# KiCad board LightBlue.kicad_pcb (continued)
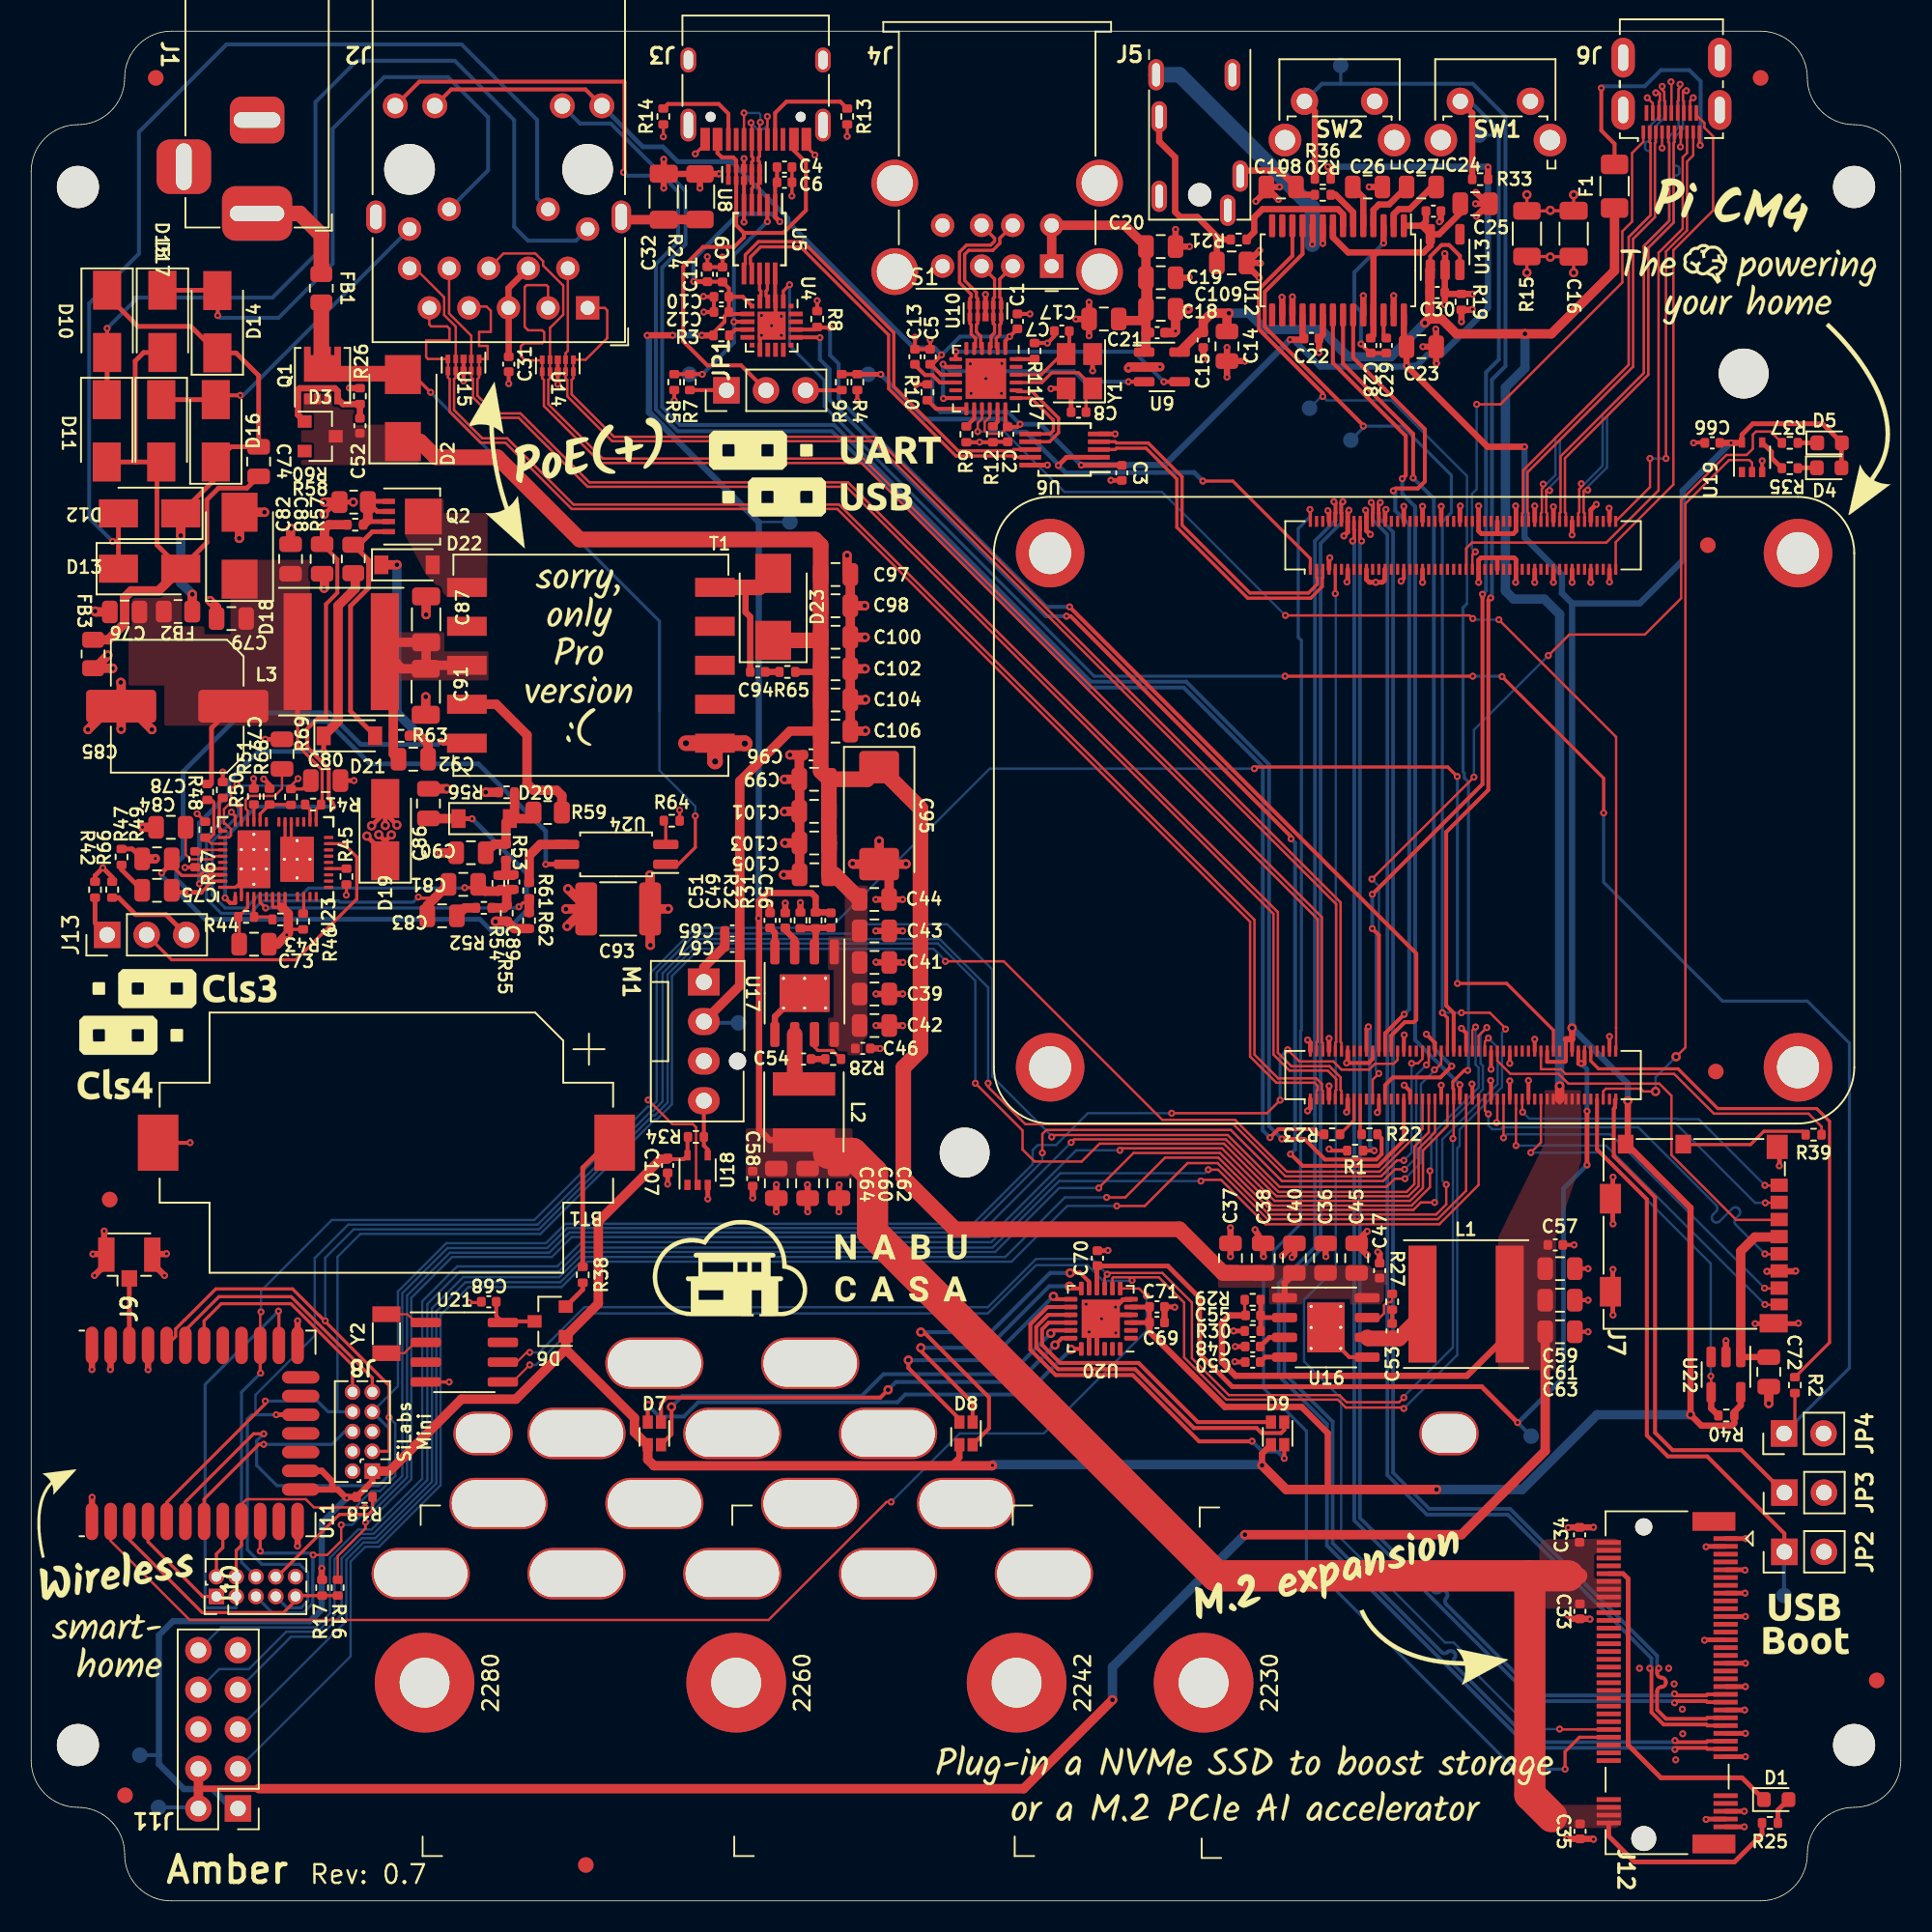
[diagram p0: board, top side]
## Library data of the parts
BT1 = -: Manufacturer: Keystone; PartNumber: 1060
C16 C32 C55 C56 C96 J8 R1 R25 R34 R39 R44 R67 R69 = -: Config: DNP
C22-C29 C108 C109 R19-R21 = -: Config: +Audio
C52 R26 = -: Config: -PoE
C65 C67 C107 = -: Config: +Fan
C66 R35 R37 = -: Config: +RPiLED
C72 R40 = -: Config: +SDCard
C73-C84 C86-C94 R41-R43 R45-R59 R61-R66 R68 = -: Config: +PoE
C85 = -: Config: +PoE; Manufacturer: Panasonic Electronic Components; PartNumber: EEE-HA1J470UP
C95 = -: Config: +PoE; Manufacturer: KEMET; PartNumber: T491X107K025AT
D1 = -: Config: DNP; Manufacturer: Lite-On; PartNumber: LTST-C191TBKT
D2 D10-D18 D23 = -: Config: +PoE; Manufacturer: Diodes Incorporated
D3 = -: Config: -PoE; Manufacturer: ON Semiconductor
D4 = -: Config: +RPiLED; Manufacturer: Lite-On; PartNumber: LTST-C194KRKT
D5 = -: Config: +RPiLED; Manufacturer: Lite-On; PartNumber: LTST-C194TGKT
D6 = -: Manufacturer: Diodes Incorporated
D7-D9 = -: Manufacturer: Lite-On; PartNumber: C19HE1WT
D19 = -: Config: DNP; Manufacturer: Diodes Incorporated
D20-D22 = -: Config: +PoE; Manufacturer: STMicroelectronics
F1 = -: Config: +HDMI; Manufacturer: Bel Fuse; PartNumber: 0ZCJ0010FF2E
FB1 = -: Manufacturer: Würth Elektronik; PartNumber: 742792031
FB2 FB3 = -: Config: +PoE; Manufacturer: Würth Elektronik; PartNumber: 742792031
J1 = -: Manufacturer: CUI Devices; PartNumber: PJ-002A
J2 = -: Manufacturer: LINK-PP; PartNumber: LPJG0926HENL
J3 = -: Manufacturer: HRO; PartNumber: TYPE-C-31-M-12
J4 = -: Manufacturer: Molex; PartNumber: 67298-4090
J5 = -: Config: +Audio; Manufacturer: HRO; PartNumber: PJ-3973-6A
J6 = -: Config: +HDMI; Manufacturer: Molex; PartNumber: 0467651301
J7 = -: Config: +SDCard; Manufacturer: Molex; PartNumber: 104031-0811
J9 = -: Manufacturer: Linx Technologies; PartNumber: CONUFL001-SMD-T
J10 = -: Config: DNP; Manufacturer: Adam Tech; PartNumber: PH2-08-UA
J11 = -: Manufacturer: Adam Tech; PartNumber: PH2-10-UA
J12 = -: Manufacturer: TE; PartNumber: 1-2199119-5
JP1 = -: Manufacturer: Adam Tech; PartNumber: PH1-03-UA
JP2 = -: Manufacturer: Adam Tech; PartNumber: PH1-02-UA
JP3 JP4 = -: Config: DNP; Manufacturer: Adam Tech; PartNumber: PH1-02-UA
L1 = -: Manufacturer: Taiyo Yuden; PartNumber: NRS8030T3R3MJGJ
L2 = -: Manufacturer: Taiyo Yuden; PartNumber: ‎NRS5040T2R2NMGJ‎
L3 = -: Config: +PoE; Manufacturer: Taiyo Yuden; PartNumber: NRS8030T3R3MJGJ
M1 = -: Config: +Fan; Manufacturer: Molex; PartNumber: 47053-1000
Q1 = -: Config: -PoE; Manufacturer: Diodes Incorporated
Q2 = -: Config: +PoE; Manufacturer: Infineon Technologies
R60 = -: Characteristics: 0.1 Watt; Config: +PoE
SW1 = -: Manufacturer: C&K; PartNumber: PTS645VM83-2 LFS
SW2 = -: Manufacturer: C&K; PartNumber: PTS645VK58-2 LFS
T1 = -: Manufacturer: Pulse Electronics
U1 = -: Manufacturer: Raspberry Pi Foundation; PartNumber: CM4002016
U2 U3 = -: Manufacturer: Hirose Electric; PartNumber: DF40C-100DS-0.4V(51)
U4 = -: Manufacturer: Silicon Laboratories; PartNumber: CP2102N-A02-GQFN20
U5 U6 = -: Manufacturer: ON Semiconductor; PartNumber: FSUSB42MUXCT
U7 = -: Manufacturer: Microchip; PartNumber: USB2422/MJ
U8 U10 U14 U15 = -: Manufacturer: Texas Instruments; PartNumber: TPD4EUSB30DQAR
U9 = -: Manufacturer: Diodes Incorporated; PartNumber: AP2191WG-7
U11 = -: Manufacturer: Silicon Laboratories; PartNumber: MGM210PB32JIA2
U12 = -: Config: +Audio; Manufacturer: Texas Instruments; PartNumber: PCM5121PWR
U13 = -: Config: +Audio; Manufacturer: Texas Instruments
U16 U17 = -: Manufacturer: Rohm
U18 = -: Config: +Fan; Manufacturer: NXP USA; PartNumber: 74LVC1G07GW
U19 = -: Config: +RPiLED; Manufacturer: NXP USA; PartNumber: 74LVC1G07GW
U20 = -: Manufacturer: Texas Instruments
U21 = -: Manufacturer: NXP USA; PartNumber: PCF85063AT/AY
U22 = -: Config: +SDCard; Manufacturer: Richtek USA
U23 = -: Config: +PoE; Manufacturer: Texas Instruments; PartNumber: TPS23734RMTR
U24 = -: Config: +PoE; Manufacturer: Vishay Semiconductor Opto Division
Y1 = -: Manufacturer: Epson; PartNumber: FA-238 24.0000MD30X-W5
Y2 = -: Manufacturer: Epson; PartNumber: FC-135 32.7680KA-A3

## Footprints (pads in the part's own frame, mm; a bottom-side part is the same pattern mirrored in y, then rotated)
BarrelJack_CUI_PJ-002A
  rrect 3.5x4.5 hole 1x3.5: 1(0,0)
  rrect 3x3.5 hole 1x3: 2(-6,0)
  rrect 3.5x3.5 hole 3x1: 3(-3,-4.7)
BatteryHolder_Keystone_1060_1x2032
  rect 2.6x3.6 smd: 1(-14.65,0) 2(14.65,0)
C_0402_1005Metric
  rrect 0.56x0.62 smd: 1(-0.48,0) 2(0.48,0)
C_0805_2012Metric
  rrect 1x1.45 smd: 1(-0.95,0) 2(0.95,0)
C_1206_3216Metric
  rrect 1.15x1.8 smd: 1(-1.475,0) 2(1.475,0)
C_1812_4532Metric
  rrect 1.4x3.4 smd: 1(-2.05,0) 2(2.05,0)
C_Elec_8x10.2
  rrect 4.5x2.1 smd: 1(-3.6,0) 2(3.6,0)
CP_EIA-7343-31_Kemet-D
  rrect 2.075x2.55 smd: 1(-3.112,0) 2(3.112,0)
Crystal_SMD_3215-2Pin_3.2x1.5mm
  rect 1x1.8 smd: 1(1.25,0) 2(-1.25,0)
Crystal_SMD_3225-4Pin_3.2x2.5mm
  rect 1.4x1.2 smd: 1(-1.1,-0.85) 2(1.1,-0.85) 3(1.1,0.85) 4(-1.1,0.85)
D_SMA
  rect 2.5x1.8 smd: 1(-2,0) 2(2,0)
D_SMB
  rect 2.5x2.3 smd: 1(-2.15,0) 2(2.15,0)
D_SOD-123
  rect 0.9x1.2 smd: 1(-1.65,0) 2(1.65,0)
D_SOT-23_ANK
  rect 0.9x0.8 smd: (-1,-0.95) 1(1,0) 2(-1,0.95)
Diodes_PowerDI3333-8
  rect 0.6x1 smd: (0.02,0.565) (0.02,-0.565) (0.73,0.565) (0.73,-0.565)
  rect 0.7x0.42 smd: (1.5,0.975) (1.5,0.325) (1.5,-0.325) (1.5,-0.975) 1(-1.5,0.975) 2(-1.5,0.325) 3(-1.5,-0.325) 4(-1.5,-0.975)
  custom 2.25x2.37 smd: 5(0.455,0)
DrillSlot_Plated_3.5x2.5mm
  oval 3.8x2.8 hole 3.5x2.5: (0,0)
DrillSlot_Plated_5x3mm
  oval 6.3x3.3 hole 6x3: (0,0)
DrillSlot_Plated_5x3mm#2
  oval 6.3x3.3 hole 6x3: (0,-0.2)
DrillSlot_Plated_5x3mm#3
  oval 6.3x3.3 hole 6x3: (0,0.5)
FanPinHeader_1x04_P2.54mm_Vertical
  round 1.1 hole 1.1 unplated: (5.08,2.16)
  rect 1.73x2.03 hole 1.02: 1(0,0)
  oval 1.73x2.03 hole 1.02: 2(2.54,0) 3(5.08,0) 4(7.62,0)
Fiducial_1mm_Mask2mm
  round 1 smd: (0,0)
Fuse_1206_3216Metric
  rrect 1.25x1.75 smd: 1(-1.4,0) 2(1.4,0)
HDMI_Micro-D_Molex_46765-1x01
  rect 0.23x0.85 smd: 1(1.8,4.775) 3(1.4,4.775) 5(1,4.775) 7(0.6,4.775) 9(0.2,4.775) 11(-0.2,4.775) 13(-0.6,4.775) 15(-1,4.775) 17(-1.4,4.775) 19(-1.8,4.775)
  rect 0.23x1 smd: 2(1.6,3.55) 4(1.2,3.55) 6(0.8,3.55) 8(0.4,3.55) 10(0,3.55) 12(-0.4,3.55) 14(-0.8,3.55) 16(-1.2,3.55) 18(-1.6,3.55)
  oval 1.5x2.55 hole 0.65x1.7: SH(-3.1,3.36) SH(-3.1,0) SH(3.1,3.36) SH(3.1,0)
Heatsink_56x56mm_2xFixation3.2mm
  round 3.2 hole 3.2 unplated: (-25,-25) (25,25)
HTSOP-8-1EP_3.9x4.9mm_P1.27mm_EP2.4x3.2mm_ThermalVias
  rrect 0.97x1.29 smd: (-0.6,0.8) (-0.6,-0.8) (0.6,0.8) (0.6,-0.8)
  rrect 1.6x0.6 smd: 1(-2.65,1.905) 2(-2.65,0.635) 3(-2.65,-0.635) 4(-2.65,-1.905) 5(2.65,-1.905) 6(2.65,-0.635) 7(2.65,0.635) 8(2.65,1.905)
  round 0.5 hole 0.2: 9(-0.95,1.35) 9(-0.95,0) 9(-0.95,-1.35) 9(0.95,1.35) 9(0.95,0) 9(0.95,-1.35)
  rect 2.4x3.2 smd: 9(0,0)
  rect 2.4x3.2 smd far side: 9(0,0)
Jack_3.5mm_HRO_PJ-3973-6A_Horizontal
  round 1.5 hole 1.5 unplated: (0,-10.5)
  oval 1x2 hole 0.5x1.5: R1(-2.6,-5.5) R1N(-2.6,-10.6) R2(2.1,-2.8) S(-2.8,-2.8) T(2.6,-9.3) TN(1.8,-11.5)
L_Taiyo-Yuden_NR-50xx
  rect 1.5x4 smd: 1(-1.8,0) 2(1.8,0)
L_Taiyo-Yuden_NR-80xx
  rect 1.8x7.5 smd: 1(-2.8,0) 2(2.8,0)
LED_0603_1608Metric
  rrect 0.875x0.95 smd: 1(-0.787,0) 2(0.787,0)
LED_LiteOn_LTST-C19HE1WT
  rect 0.65x0.85 smd: 1(-0.425,0.725) 2(0.425,0.725) 3(0.425,-0.725) 4(-0.425,-0.725)
microSD_HC_Molex_104031-0811
  rect 0.85x1.1 smd: 1(-3.105,5.45) 2(-2.005,5.45) 3(-0.905,5.45) 4(0.195,5.45) 5(1.295,5.45) 6(2.395,5.45) 7(3.495,5.45)
  rect 0.75x1.1 smd: 8(4.545,5.45)
  rect 1.2x1 smd: 9(-5.74,-0.7) 10(-5.74,-4.4)
  rect 1.55x1.35 smd: 11(-5.565,5.325)
  rect 1.9x1.35 smd: 11(-2.24,-5.375) 11(3.73,-5.375)
  rect 1.17x1.8 smd: 11(5.755,5.1)
MountingHole_2.7mm_M2.5
  round 2.7 hole 2.7 unplated: (0,0)
MSOP-10_3x3mm_P0.5mm
  rect 1.4x0.3 smd: 1(-2.2,1) 2(-2.2,0.5) 3(-2.2,0) 4(-2.2,-0.5) 5(-2.2,-1) 6(2.2,-1) 7(2.2,-0.5) 8(2.2,0) 9(2.2,0.5) 10(2.2,1)
PG-TSDSON-8
  rect 0.55x0.75 smd: (-0.035,0.575) (-0.035,-0.575) (0.815,0.575) (0.815,-0.575)
  rect 0.55x0.24 smd: (1.575,0.975) (1.575,0.325) (1.575,-0.325) (1.575,-0.975)
  rect 0.8x0.34 smd: 1(-1.5,0.975) 2(-1.5,0.325) 3(-1.5,-0.325) 4(-1.5,-0.975)
  rect 2.36x2.29 smd: 5(0.72,0)
PinHeader_1x02_P2.54mm_Vertical
  rect 1.7x1.7 hole 1: 1(0,0)
  oval 1.7x1.7 hole 1: 2(0,-2.54)
PinHeader_1x03_P2.54mm_Vertical
  rect 1.7x1.7 hole 1: 1(0,0)
  oval 1.7x1.7 hole 1: 2(0,-2.54) 3(0,-5.08)
PinHeader_2x05_P1.27mm_Vertical
  rect 1x1 hole 0.65: 1(0,0)
  oval 1x1 hole 0.65: 2(1.27,0) 3(0,-1.27) 4(1.27,-1.27) 5(0,-2.54) 6(1.27,-2.54) 7(0,-3.81) 8(1.27,-3.81) 9(0,-5.08) 10(1.27,-5.08)
PinHeader_2x05_P2.54mm_Vertical
  rect 1.7x1.7 hole 1: 1(0,0)
  oval 1.7x1.7 hole 1: 2(2.54,0) 3(0,-2.54) 4(2.54,-2.54) 5(0,-5.08) 6(2.54,-5.08) 7(0,-7.62) 8(2.54,-7.62) 9(0,-10.16) 10(2.54,-10.16)
QFN-24-1EP_4x4mm_P0.5mm_EP2.6x2.6mm
  rrect 1.05x1.05 smd: (-0.65,0.65) (-0.65,-0.65) (0.65,0.65) (0.65,-0.65)
  rrect 0.825x0.25 smd: 1(-1.938,1.25) 2(-1.938,0.75) 3(-1.938,0.25) 4(-1.938,-0.25) 5(-1.938,-0.75) 6(-1.938,-1.25) 13(1.938,-1.25) 14(1.938,-0.75) 15(1.938,-0.25) 16(1.938,0.25) 17(1.938,0.75) 18(1.938,1.25)
  rrect 0.25x0.825 smd: 7(-1.25,-1.938) 8(-0.75,-1.938) 9(-0.25,-1.938) 10(0.25,-1.938) 11(0.75,-1.938) 12(1.25,-1.938) 19(1.25,1.938) 20(0.75,1.938) 21(0.25,1.938) 22(-0.25,1.938) 23(-0.75,1.938) 24(-1.25,1.938)
  rect 2.6x2.6 smd: 25(0,0)
R_0402_1005Metric
  rrect 0.54x0.64 smd: 1(-0.51,0) 2(0.51,0)
R_0805_2012Metric
  rrect 1.025x1.4 smd: 1(-0.912,0) 2(0.912,0)
R_1206_3216Metric
  rrect 1.125x1.75 smd: 1(-1.462,0) 2(1.462,0)
RaspberryPi-CM4
  round 4.4 hole 2.7 unplated: (-16.5,24) (-16.5,-24) (16.5,24) (16.5,-24)
  rect 0.7x0.2 smd: 1(-18.54,7.3) 2(-15.46,7.3) 3(-18.54,6.9) 4(-15.46,6.9) 5(-18.54,6.5) 6(-15.46,6.5) 7(-18.54,6.1) 8(-15.46,6.1) 9(-18.54,5.7) 10(-15.46,5.7) 11(-18.54,5.3) 12(-15.46,5.3) 13(-18.54,4.9) 14(-15.46,4.9) 15(-18.54,4.5) 16(-15.46,4.5) 17(-18.54,4.1) 18(-15.46,4.1) 19(-18.54,3.7) 20(-15.46,3.7) 21(-18.54,3.3) 22(-15.46,3.3) 23(-18.54,2.9) 24(-15.46,2.9) 25(-18.54,2.5) 26(-15.46,2.5) 27(-18.54,2.1) 28(-15.46,2.1) 29(-18.54,1.7) 30(-15.46,1.7) 31(-18.54,1.3) 32(-15.46,1.3) 33(-18.54,0.9) 34(-15.46,0.9) 35(-18.54,0.5) 36(-15.46,0.5) 37(-18.54,0.1) 38(-15.46,0.1) 39(-18.54,-0.3) 40(-15.46,-0.3) 41(-18.54,-0.7) 42(-15.46,-0.7) 43(-18.54,-1.1) 44(-15.46,-1.1) 45(-18.54,-1.5) 46(-15.46,-1.5) 47(-18.54,-1.9) 48(-15.46,-1.9) 49(-18.54,-2.3) 50(-15.46,-2.3) 51(-18.54,-2.7) 52(-15.46,-2.7) 53(-18.54,-3.1) 54(-15.46,-3.1) 55(-18.54,-3.5) 56(-15.46,-3.5) 57(-18.54,-3.9) 58(-15.46,-3.9) 59(-18.54,-4.3) 60(-15.46,-4.3) 61(-18.54,-4.7) 62(-15.46,-4.7) 63(-18.54,-5.1) 64(-15.46,-5.1) 65(-18.54,-5.5) 66(-15.46,-5.5) 67(-18.54,-5.9) 68(-15.46,-5.9) 69(-18.54,-6.3) 70(-15.46,-6.3) 71(-18.54,-6.7) 72(-15.46,-6.7) 73(-18.54,-7.1) 74(-15.46,-7.1) 75(-18.54,-7.5) 76(-15.46,-7.5) 77(-18.54,-7.9) 78(-15.46,-7.9) 79(-18.54,-8.3) 80(-15.46,-8.3) 81(-18.54,-8.7) 82(-15.46,-8.7) 83(-18.54,-9.1) 84(-15.46,-9.1) 85(-18.54,-9.5) 86(-15.46,-9.5) 87(-18.54,-9.9) 88(-15.46,-9.9) 89(-18.54,-10.3) 90(-15.46,-10.3) 91(-18.54,-10.7) 92(-15.46,-10.7) 93(-18.54,-11.1) 94(-15.46,-11.1) 95(-18.54,-11.5) 96(-15.46,-11.5) 97(-18.54,-11.9) 98(-15.46,-11.9) 99(-18.54,-12.3) 100(-15.46,-12.3) 101(15.46,7.3) 102(18.54,7.3) 103(15.46,6.9) 104(18.54,6.9) 105(15.46,6.5) 106(18.54,6.5) 107(15.46,6.1) 108(18.54,6.1) 109(15.46,5.7) 110(18.54,5.7) 111(15.46,5.3) 112(18.54,5.3) 113(15.46,4.9) 114(18.54,4.9) 115(15.46,4.5) 116(18.54,4.5) 117(15.46,4.1) 118(18.54,4.1) 119(15.46,3.7) 120(18.54,3.7) 121(15.46,3.3) 122(18.54,3.3) 123(15.46,2.9) 124(18.54,2.9) 125(15.46,2.5) 126(18.54,2.5) 127(15.46,2.1) 128(18.54,2.1) 129(15.46,1.7) 130(18.54,1.7) 131(15.46,1.3) 132(18.54,1.3) 133(15.46,0.9) 134(18.54,0.9) 135(15.46,0.5) 136(18.54,0.5) 137(15.46,0.1) 138(18.54,0.1) 139(15.46,-0.3) 140(18.54,-0.3) 141(15.46,-0.7) 142(18.54,-0.7) 143(15.46,-1.1) 144(18.54,-1.1) 145(15.46,-1.5) 146(18.54,-1.5) 147(15.46,-1.9) 148(18.54,-1.9) 149(15.46,-2.3) 150(18.54,-2.3) 151(15.46,-2.7) 152(18.54,-2.7) 153(15.46,-3.1) 154(18.54,-3.1) 155(15.46,-3.5) 156(18.54,-3.5) 157(15.46,-3.9) 158(18.54,-3.9) 159(15.46,-4.3) 160(18.54,-4.3) 161(15.46,-4.7) 162(18.54,-4.7) 163(15.46,-5.1) 164(18.54,-5.1) 165(15.46,-5.5) 166(18.54,-5.5) 167(15.46,-5.9) 168(18.54,-5.9) 169(15.46,-6.3) 170(18.54,-6.3) 171(15.46,-6.7) 172(18.54,-6.7) 173(15.46,-7.1) 174(18.54,-7.1) 175(15.46,-7.5) 176(18.54,-7.5) 177(15.46,-7.9) 178(18.54,-7.9) 179(15.46,-8.3) 180(18.54,-8.3) 181(15.46,-8.7) 182(18.54,-8.7) 183(15.46,-9.1) 184(18.54,-9.1) 185(15.46,-9.5) 186(18.54,-9.5) 187(15.46,-9.9) 188(18.54,-9.9) 189(15.46,-10.3) 190(18.54,-10.3) 191(15.46,-10.7) 192(18.54,-10.7) 193(15.46,-11.1) 194(18.54,-11.1) 195(15.46,-11.5) 196(18.54,-11.5) 197(15.46,-11.9) 198(18.54,-11.9) 199(15.46,-12.3) 200(18.54,-12.3)
RJ45_LINK-PP_LPJG0926HENL_Horizontal
  round 3.25 hole 3.25 unplated: (0,-8.89) (11.43,-8.89)
  rect 1.5x1.5 hole 0.9: 1(0,0)
  round 1.5 hole 0.9: 2(1.27,-2.54) 3(2.54,0) 4(3.81,-2.54) 5(5.08,0) 6(6.35,-2.54) 7(7.62,0) 8(8.89,-2.54) 9(10.16,0) 10(11.43,-2.54) 11(0,-5.06) 12(2.54,-6.33) 13(8.89,-6.33) 14(11.43,-5.06)
  round 1.6 hole 1.02: 15(-0.915,-12.97) 16(1.625,-12.97) 17(9.805,-12.97) 18(12.345,-12.97)
  oval 1.25x2.1 hole 0.75x1.7: SH(-2.16,-5.84)
  oval 1.25x2.1 hole 0.75x1.6: SH(13.59,-5.84)
SiliconLabs_MGM210P
  oval 2.4x0.8 smd: 1(-5.65,6.7) 2(-5.65,5.5) 3(-5.65,4.3) 4(-5.65,3.1) 5(-5.65,1.9) 6(-5.65,0.7) 7(-5.65,-0.5) 8(-5.65,-1.7) 9(-5.65,-2.9) 10(-5.65,-4.1) 11(-5.65,-5.3) 12(-5.65,-6.5) 20(5.65,-6.5) 21(5.65,-5.3) 22(5.65,-4.1) 23(5.65,-2.9) 24(5.65,-1.7) 25(5.65,-0.5) 26(5.65,0.7) 27(5.65,1.9) 28(5.65,3.1) 29(5.65,4.3) 30(5.65,5.5) 31(5.65,6.7)
  oval 0.8x2.4 smd: 13(-3.6,-6.7) 14(-2.4,-6.7) 15(-1.2,-6.7) 16(0,-6.7) 17(1.2,-6.7) 18(2.4,-6.7) 19(3.6,-6.7)
SiliconLabs_QFN-20-1EP_3x3mm_P0.5mm_EP1.8x1.8mm
  rect 0.54x0.54 smd: (-0.45,0.45) (-0.45,-0.45) (0.45,0.45) (0.45,-0.45)
  rect 0.3x0.3 smd: 1(-1.25,1.25) 6(-1.25,-1.25) 11(1.25,-1.25) 16(1.25,1.25)
  rect 0.9x0.3 smd: 2(-1.55,0.75) 3(-1.55,0.25) 4(-1.55,-0.25) 5(-1.55,-0.75) 12(1.55,-0.75) 13(1.55,-0.25) 14(1.55,0.25) 15(1.55,0.75)
  rect 0.3x0.9 smd: 7(-0.75,-1.55) 8(-0.25,-1.55) 9(0.25,-1.55) 10(0.75,-1.55) 17(0.75,1.55) 18(0.25,1.55) 19(-0.25,1.55) 20(-0.75,1.55)
  rect 1.8x1.8 smd: 21(0,0)
SOIC-8_3.9x4.9mm_P1.27mm
  rrect 1.95x0.6 smd: 1(-2.475,1.905) 2(-2.475,0.635) 3(-2.475,-0.635) 4(-2.475,-1.905) 5(2.475,-1.905) 6(2.475,-0.635) 7(2.475,0.635) 8(2.475,1.905)
SOP-4_4.4x2.6mm_P1.27mm
  rrect 1.625x0.6 smd: 1(-3.188,0.635) 2(-3.188,-0.635) 3(3.188,-0.635) 4(3.188,0.635)
SOT-23
  rect 0.9x0.8 smd: 1(-1,0.95) 2(-1,-0.95) 3(1,0)
SOT-23-5
  rrect 1.325x0.6 smd: 1(-1.137,0.95) 2(-1.137,0) 3(-1.137,-0.95) 4(1.137,-0.95) 5(1.137,0.95)
SOT-353_SC-70-5
  rect 0.65x0.4 smd: 1(-0.95,0.65) 2(-0.95,0) 3(-0.95,-0.65) 4(0.95,-0.65) 5(0.95,0.65)
SW_Tactile_SPST_Angled_PTS645Vx58-2LFS
  round 2.1 hole 1.3: (-1.25,-2.49) (5.76,-2.49)
  round 1.75 hole 0.99: 1(0,0) 2(4.5,0)
SW_Tactile_SPST_Angled_PTS645Vx83-2LFS
  round 2.1 hole 1.3: (-1.25,-2.49) (5.76,-2.49)
  round 1.75 hole 0.99: 1(0,0) 2(4.5,0)
TE_1-2199230-3_Bus_M.2_M_H4.2mm_P0.5mm_2280_Horizontal
  round 1.1 hole 1.1 unplated: (-10,-1.5)
  round 1.6 hole 1.6 unplated: (10,-1.5)
  rect 0.3x1.55 smd: 1(-9.25,3.75) 2(-9,-3.75) 3(-8.75,3.75) 4(-8.5,-3.75) 5(-8.25,3.75) 6(-8,-3.75) 7(-7.75,3.75) 8(-7.5,-3.75) 9(-7.25,3.75) 10(-7,-3.75) 11(-6.75,3.75) 12(-6.5,-3.75) 13(-6.25,3.75) 14(-6,-3.75) 15(-5.75,3.75) 16(-5.5,-3.75) 17(-5.25,3.75) 18(-5,-3.75) 19(-4.75,3.75) 20(-4.5,-3.75) 21(-4.25,3.75) 22(-4,-3.75) 23(-3.75,3.75) 24(-3.5,-3.75) 25(-3.25,3.75) 26(-3,-3.75) 27(-2.75,3.75) 28(-2.5,-3.75) 29(-2.25,3.75) 30(-2,-3.75) 31(-1.75,3.75) 32(-1.5,-3.75) 33(-1.25,3.75) 34(-1,-3.75) 35(-0.75,3.75) 36(-0.5,-3.75) 37(-0.25,3.75) 38(0,-3.75) 39(0.25,3.75) 40(0.5,-3.75) 41(0.75,3.75) 42(1,-3.75) 43(1.25,3.75) 44(1.5,-3.75) 45(1.75,3.75) 46(2,-3.75) 47(2.25,3.75) 48(2.5,-3.75) 49(2.75,3.75) 50(3,-3.75) 51(3.25,3.75) 52(3.5,-3.75) 53(3.75,3.75) 54(4,-3.75) 55(4.25,3.75) 56(4.5,-3.75) 57(4.75,3.75) 58(5,-3.75) 67(7.25,3.75) 68(7.5,-3.75) 69(7.75,3.75) 70(8,-3.75) 71(8.25,3.75) 72(8.5,-3.75) 73(8.75,3.75) 74(9,-3.75) 75(9.25,3.75)
  rect 1.2x2.75 smd: MP(-10.35,3) MP(10.35,3)
  round 6.4 hole 3.2: MP(0,-29.75) MP(0,-41.75) MP(0,-59.75) MP(0,-79.75)
TestPoint_Pad_D1.0mm
  round 1 smd: 1(0,0)
Texas_VQFN-47-2EP_5x7mm_P0.4mm_ThermalVias
  rrect 1.05x0.94 smd: (-1.25,1.97) (-1.25,0.83) (0,1.97) (0,0.83) (1.25,1.97) (1.25,0.83)
  rrect 1.27x0.96 smd: (-0.735,-0.795) (-0.735,-1.955) (0.735,-0.795) (0.735,-1.955)
  rrect 0.6x0.2 smd: 1(-2.4,2.6) 2(-2.4,2.2) 3(-2.4,1.8) 4(-2.4,1.4) 5(-2.4,1) 6(-2.4,0.6) 7(-2.4,0.2) 8(-2.4,-0.2) 9(-2.4,-0.6) 10(-2.4,-1.4) 11(-2.4,-1.8) 12(-2.4,-2.2) 13(-2.4,-2.6) 23(2.4,-2.6) 24(2.4,-2.2) 25(2.4,-1.8) 26(2.4,-1.4) 27(2.4,-1) 28(2.4,-0.6) 29(2.4,-0.2) 30(2.4,0.6) 31(2.4,1) 32(2.4,1.4) 33(2.4,1.8) 34(2.4,2.2) 35(2.4,2.6)
  rrect 0.2x0.6 smd: 14(-1.8,-3.4) 15(-1.4,-3.4) 16(-1,-3.4) 17(-0.6,-3.4) 18(-0.2,-3.4) 19(0.2,-3.4) 20(0.6,-3.4) 21(1,-3.4) 22(1.4,-3.4) 36(1.8,3.4) 37(1.4,3.4) 38(1,3.4) 39(0.6,3.4) 40(0.2,3.4) 41(-0.2,3.4) 42(-0.6,3.4) 43(-1,3.4) 44(-1.4,3.4) 45(-1.8,3.4)
  round 0.5 hole 0.2: 46(-1.6,1.4) 46(-0.625,2.205) 46(-0.625,1.4) 46(-0.625,0.595) 46(0.625,2.205) 46(0.625,1.4) 46(0.625,0.595) 46(1.6,1.4) 47(-1.2,-1.375) 47(0,-0.55) 47(0,-1.375) 47(0,-2.2) 47(1.2,-1.375)